# Altium PCB UM-64NNP-V1 rev 0.18.PcbDoc (part 3 of 5)
Units mil, origin at the board's own origin, x right, y up, seen from the top; angles counter-clockwise.
Board outline 3401.4 x 1878.03 mil, 6 copper layers (L1, L2, L3, L4, L5, L6), stack 20.4 mil thick; 336 components, 172 nets, 991 pads, 1862 vias.
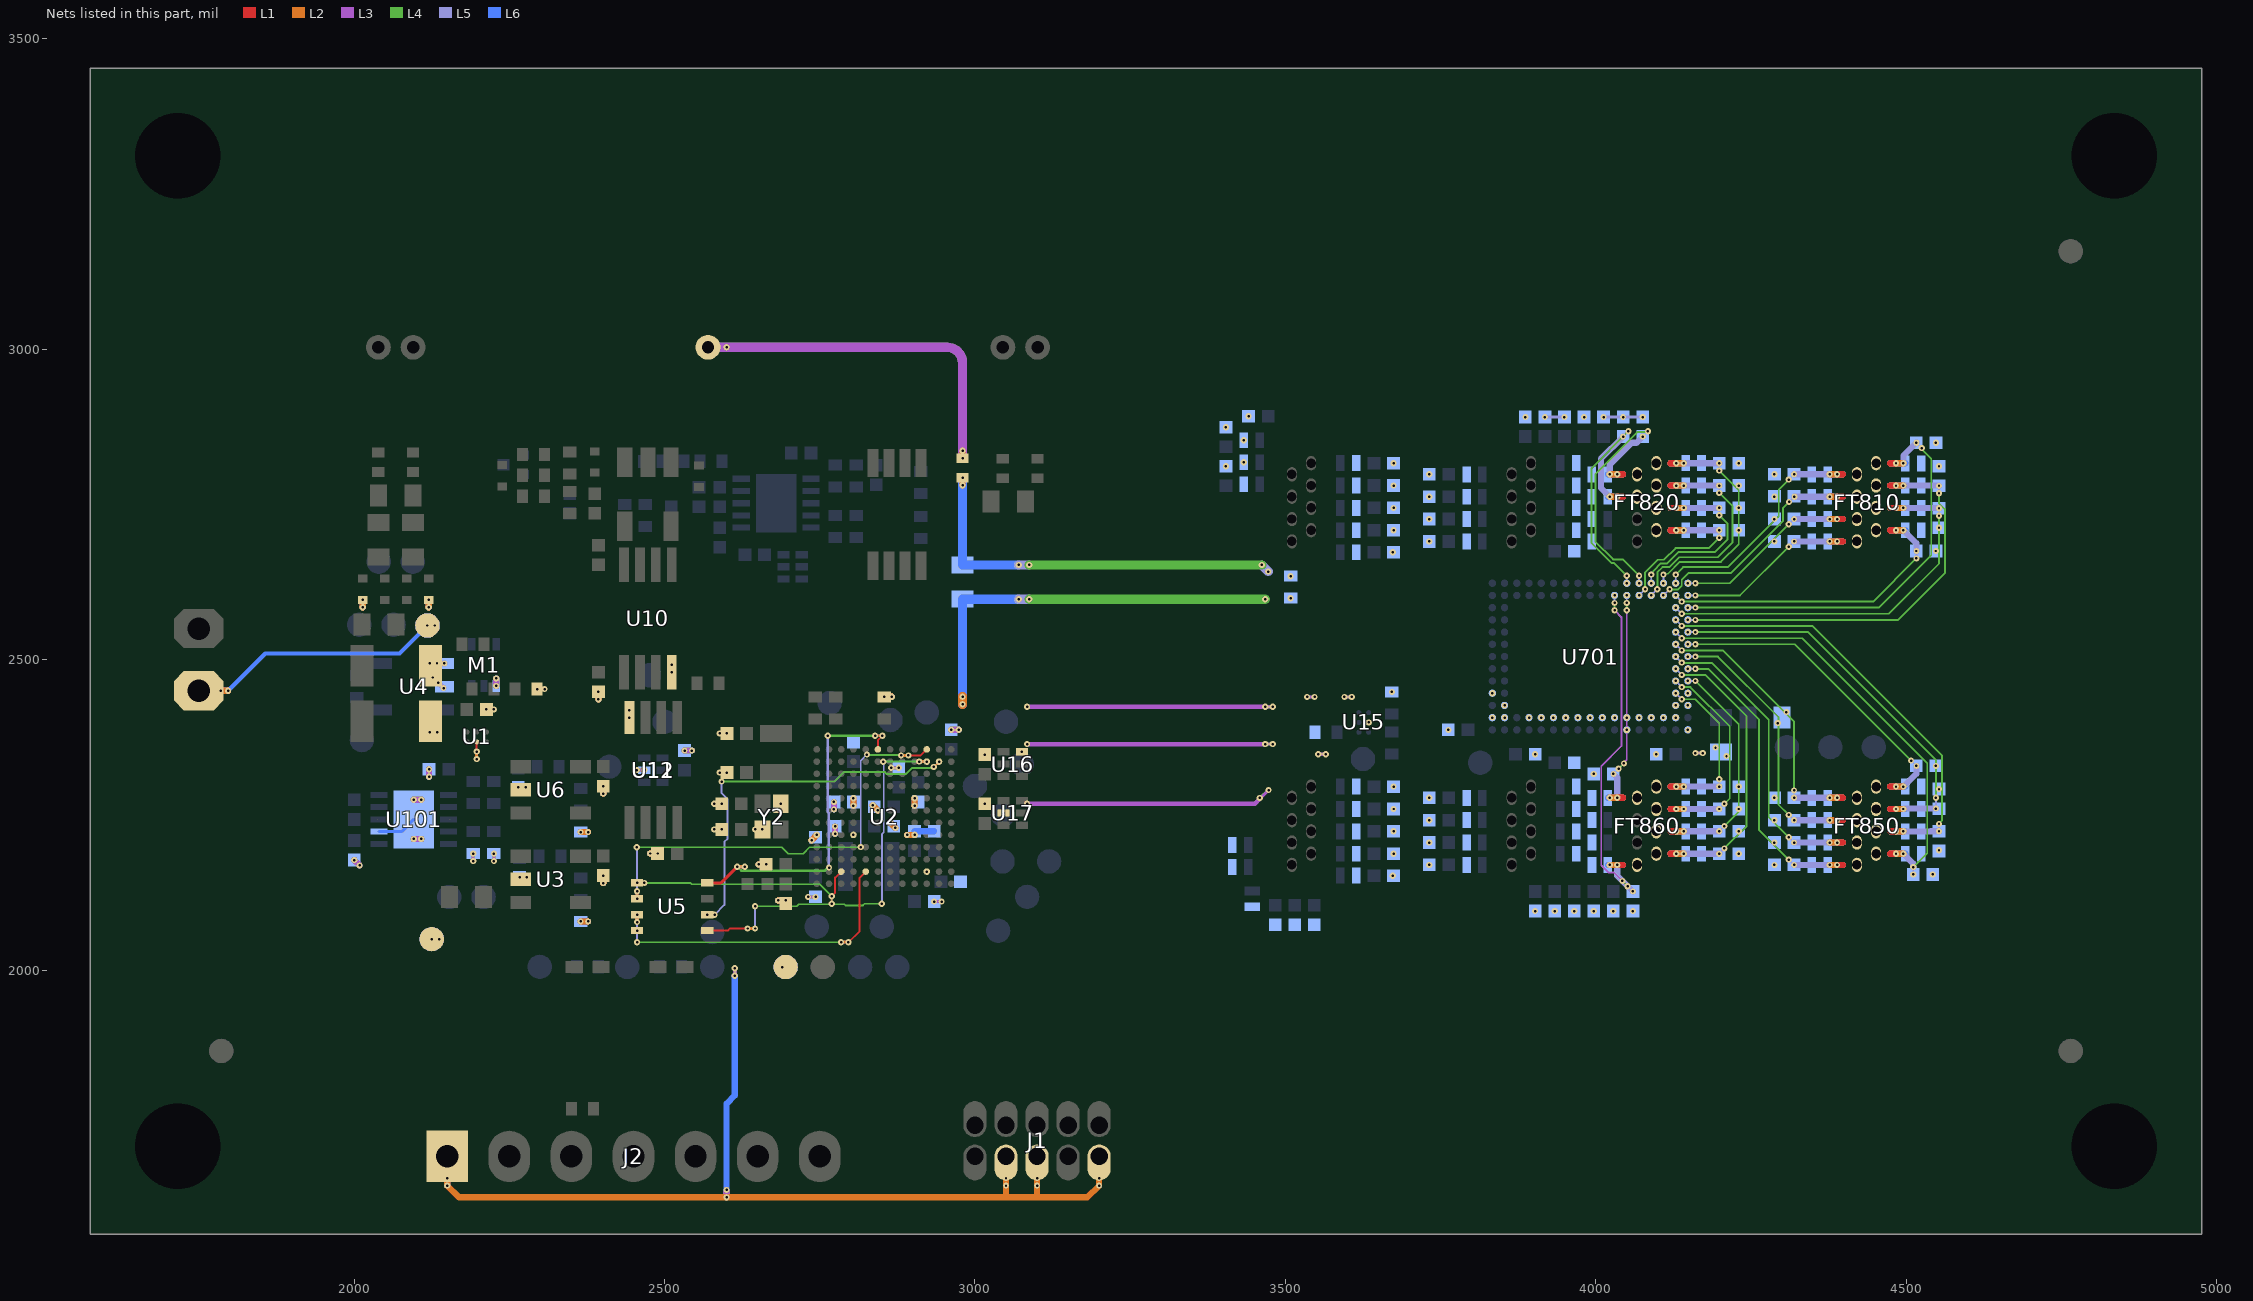
[diagram p7: the nets of this part, all layers, seen from the top]

## Via types
v1: diameter 10, hole 4, L5 to L6, tented bottom, 502 vias
v2: diameter 10, hole 4, L4 to L5, tented top, 404 vias
v3: diameter 10, hole 4, L3 to L4, 320 vias
v4: diameter 10, hole 4, L2 to L3, 311 vias
v5: diameter 10, hole 4, L1 to L2, tented top, 285 vias
v6: diameter 10, hole 4, L4 to L5, 34 vias
v7: diameter 10, hole 4, L3 to L4, tented both sides, 5 vias
v8: diameter 10, hole 4, L5 to L6, tented top, 1 vias

## Nets (pads, with @x,y where several pads share a name; then routed paths per layer and width w, separated by ;. In a path a pad name is that pad's centre, name@x,y a point inside that pad or via, vN(x,y) a via of type N, cw(c..) or ccw(c..) an arc to the next point about the centre after c; other vN are vias at no path point) (continued)
ENCL: C37.2 C811.1 C812.1 C813.1 C814.1 C815.1 C816.1 C817.1 C818.1 C821.1 C822.1 C823.1 C824.1 C825.1 C826.1 C827.1 C828.1 C831.1 C832.1 C833.1 C834.1 C835.1 C836.1 C837.1 C838.1 C841.1 C842.1 C843.1 C844.1 C845.1 C846.1 C847.1 C848.1 C851.1 C852.1 C853.1 C854.1 C855.1 C856.1 C857.1 C858.1 C861.1 C862.1 C863.1 C864.1 C865.1 C866.1 C867.1 C868.1 C871.1 C872.1 C873.1 C874.1 C875.1 C876.1 C877.1 C878.1 C881.1 C882.1 C883.1 C884.1 C885.1 C886.1 C887.1 C888.1 D811.2 D812.2 D813.2 D814.2 D815.2 D816.2 D817.2 D818.2 D821.2 D822.2 D823.2 D824.2 D825.2 D826.2 D827.2 D828.2 D831.2 D832.2 D833.2 D834.2 D835.2 D836.2 D837.2 D838.2 D841.2 D842.2 D843.2 D844.2 D845.2 D846.2 D847.2 D848.2 D851.2 D852.2 D853.2 D854.2 D855.2 D856.2 D857.2 D858.2 D861.2 D862.2 D863.2 D864.2 D865.2 D866.2 D867.2 D868.2 D871.2 D872.2 D873.2 D874.2 D875.2 D876.2 D877.2 D878.2 D881.2 D882.2 D883.2 D884.2 D885.2 D886.2 D887.2 D888.2 FB5.2 R4.1 R23.1 R34.1 | length 779.9
  L3 w10: v4(2980,2781.04) v5(2980,2793.04)
  L4 w10: v4(2980,2781.04) v5(2980,2793.04)
  L4 w15: v2(3087.48,2652.56) v2(3461.95,2652.56)
  L2 w10: v4(2980,2781.04) v5(2980,2793.04)
  L5 w5: v1(3918.01,2890.85) v1(3949.51,2890.85) ; v1(4012.5,2890.85) v1(4044,2890.85) v1(4075.49,2890.85)
  L5 w10: v4(2980,2781.04) v5(2980,2793.04)
  L5 w15: v1(3070.48,2652.56) v2(3087.48,2652.56) ; v2(3461.95,2652.56) v1(3472.56,2641.95)
  L6 w15: v5(2980,2793.04) C37.2@2980,2652.56 v1(3070.48,2652.56)
  other v1: 3902.26,2095.16 3933.76,2095.16 3965.26,2095.16 3996.75,2095.16 4028.25,2095.16 4059.74,2095.16 3672.94,2152.07 4542.84,2154.04 3731.76,2169.5 4287.76,2169.5 3674.25,2187.5 4230.25,2187.5 4552.75,2193.14 3731.76,2205.5 4287.76,2205.5 3674.25,2223.5 4230.25,2223.5 3731.76,2241.5 4287.76,2241.5 3674.25,2259.5 4230.25,2259.5 3731.76,2277.5 4287.76,2277.5 4552.75,2291.57 3674.25,2295.5 4230.25,2295.5 3996.77,2315.97 4547.84,2328.97 4293.16,2397.78 4306.94,2415.5 3508.35,2634.39 3672.94,2673.07 4547.84,2675.04 3731.76,2690.5 4287.76,2690.5 3674.25,2708.5 4230.25,2708.5 4552.75,2712.44 3731.76,2726.5 4287.76,2726.5 3674.25,2744.5 4230.25,2744.5 3731.76,2762.5 4287.76,2762.5 3674.25,2780.5 4230.25,2780.5 2980,2793.04 3731.76,2798.5 4287.76,2798.5 3404.26,2811.5 4552.75,2811.43 3674.25,2816.5 4230.25,2816.5 3432.79,2818.04 4547.84,2849.4 3432.79,2853.47 3404.26,2874.49 3886.52,2890.85 3981,2890.85 3440.75,2891.94
  other v2: 2980,2781.04
  other v3: 2980,2793.04
ENCL_P5: FB5.1 X5.1 | length 1129.5
  L3 w15: X5.1@2587.91,3003.12 v7(2599.91,3003.12) 2955,3003.12 cw(c2955,2978.12) 2980,2978.12 ; v5(2980,2824.54) v4(2980,2836.54) 2980,2975.7
  L4 w15: X5.1@2587.91,3003.12 v7(2599.91,3003.12) 2955,3003.12 cw(c2955,2978.12) 2980,2978.12 v5(2980,2824.54)
  L2 w10: v5(2980,2824.54) v4(2980,2836.54)
  other v3: 2980,2824.54
FRAM_CSn: U2.L3 U5.1 | length 417
  L1 w3: v5@2769.26,2118.7 v5(2769.26,2118.83) 2774.85,2124.41 2774.85,2148.88 U2.L3@2784.66,2158.69
  L3 w3: v3(2455.73,2140.46) v4(2467.73,2140.46) ; v4(2769.26,2106.83) v5(2769.26,2118.83)
  L4 w3: v3@2455.73,2140.22 2455.97,2140.46 2541.44,2140.46 2543.6,2138.31 2749.78,2138.31 v5(2769.26,2118.83)
  L2 w3: v3(2455.73,2140.46) v4(2467.73,2140.46) ; v4(2769.26,2106.83) v5(2769.26,2118.83)
  other v3: 2769.26,2118.83
  other v5: 2455.73,2140.46
FRAM_MISO: U2.A10 U5.2 | length 755.4
  L1 w3: v3(2892.93,2345.7) 2912.61,2345.7 U2.A10@2922.46,2355.54
  L3 w5: v5(2455.73,2114.87) v2(2455.73,2126.87) ; v4(2880.93,2345.7) v3(2892.93,2345.7)
  L4 w3: v6(2455.2,2197.94) 2688.99,2197.94 2699.46,2187.47 2723.08,2187.47 2733.55,2197.94 2816.04,2197.94 v6(2816.16,2198.06) ; v6(2826.01,2347.25) 2826.79,2346.47 2892.15,2346.47 v3(2892.93,2345.7)
  L4 w5: v5(2455.73,2114.87) v2(2455.73,2126.87)
  L2 w5: v5(2455.73,2114.87) v2(2455.73,2126.87) ; v4(2880.93,2345.7) v3(2892.93,2345.7)
  L5 w3: v6(2455.2,2197.94) 2455.73,2197.42 v2(2455.73,2126.87) ; v6(2816.16,2198.06) 2816.16,2257.88 2816.16,2337.39 v6(2826.01,2347.25)
  other v3: 2455.73,2114.87
  other v4: 2455.73,2126.87
  other v5: 2892.93,2345.7
FRAM_MOSI: U2.B10 U5.5 | length 670.5
  L1 w3: U5.5@2568.72,2063.69 2601.98,2063.69 2605.32,2067.03 v5(2633.88,2067.03)
  L3 w5: v5(2633.88,2067.03) v2(2645.88,2067.03) ; v4(2910.46,2335.86) v3(2922.46,2335.86)
  L4 w3: v6(2645.88,2102.81) 2712.84,2102.81 2716.09,2106.07 2789.69,2106.07 2791.59,2104.17 2819.43,2104.17 2822.09,2106.83 v6(2850,2106.83) ; v6(2852.28,2335.73) 2852.34,2335.8 2922.39,2335.8 v3(2922.46,2335.86)
  L4 w5: v5(2633.88,2067.03) v2(2645.88,2067.03)
  L2 w5: v5(2633.88,2067.03) v2(2645.88,2067.03) ; v4(2910.46,2335.86) v3(2922.46,2335.86)
  L5 w3: v2(2645.88,2067.03) v6(2645.88,2102.81) ; v6(2850,2106.83) 2850,2219 2853.22,2222.22 2853.22,2334.8 v6(2852.28,2335.73)
  other v3: 2633.88,2067.03
  other v4: 2645.88,2067.03
  other v5: 2922.46,2335.86
FRAM_SCK: U2.B11 U5.6 | length 653.3
  L3 w3: v5(2568.72,2089.28) v2(2580.72,2089.28) ; v4(2933.66,2327.37) v3(2942.14,2335.86)
  L4 w3: v5(2568.72,2089.28) v2(2580.72,2089.28) ; v6(2591.95,2303.55) 2773.64,2303.55 2789.24,2319.15 2854.51,2319.15 2857.97,2315.68 2888.82,2315.68 2898.41,2325.27 2931.56,2325.27 v3(2942.14,2335.86)
  L2 w3: v5(2568.72,2089.28) v2(2580.72,2089.28) ; v4(2933.66,2327.37) v3(2942.14,2335.86)
  L5 w3: v2(2580.72,2089.28) 2596.48,2105.04 2596.48,2206.79 2601.48,2211.79 2601.48,2257.88 2601.48,2271.88 2601.48,2275.49 2591.95,2285.02 v6(2591.95,2303.55)
  other v3: 2568.72,2089.28
  other v4: 2580.72,2089.28
  other v5: 2942.14,2335.86
FRAM_VDD: U2.A6 U5.8 | length 586.2
  L1 w3: U2.A6@2843.72,2355.54 2843.72,2370.28 v3(2851.07,2377.64)
  L1 w5: U5.8@2568.72,2140.46 2591.18,2140.46 v3(2617.17,2166.45)
  L3 w3: v4(2839.07,2377.64) v3(2851.07,2377.64)
  L3 w5: v3(2617.17,2166.45) v4(2629.17,2166.45)
  L4 w4: v3(2617.17,2166.45) 2617.54,2166.45 2623.69,2160.31 2680.89,2160.31 2758.47,2160.3 2763.35,2165.19 v6(2764.98,2165.19) ; v6(2762.95,2377.64) v3(2851.07,2377.64)
  L2 w3: v4(2839.07,2377.64) v3(2851.07,2377.64)
  L2 w5: v3(2617.17,2166.45) v4(2629.17,2166.45)
  L5 w4: v6(2762.95,2377.64) 2762.85,2377.53 2762.85,2254.75 2764.82,2252.79 2764.82,2165.35 v6(2764.98,2165.19)
  other v5: 2617.17,2166.45 2851.07,2377.64
FRAM_WPn: U2.L5 U5.3 | length 558.3
  L1 w3: v3(2796.31,2045.04) 2814.16,2062.89 2814.16,2148.82 U2.L5@2824.03,2158.69
  L3 w5: v2(2455.73,2077.28) v5(2455.73,2089.28) ; v4(2784.31,2045.04) v3(2796.31,2045.04)
  L4 w3: v6(2455.76,2044.8) 2455.88,2044.92 2796.19,2044.92 v3(2796.31,2045.04)
  L4 w5: v2(2455.73,2077.28) v5(2455.73,2089.28)
  L2 w5: v2(2455.73,2077.28) v5(2455.73,2089.28) ; v4(2784.31,2045.04) v3(2796.31,2045.04)
  L5 w3: v6@2455.73,2044.83 v2(2455.73,2077.28)
  other v3: 2455.73,2089.28
  other v4: 2455.73,2077.28
  other v5: 2796.31,2045.04
GND: C1.1 C2.2 C3.2 C4.2 C5.2 C6.2 C8.2 C9.2 C10.2 C11.2 C12.2 C13.2 C14.2 C15.1 C16.2 C18.2 C19.2 C23.1 C24.2 C25.2 C26.1 C27.1 C28.2 C34.2 C35.2 C36.2 C37.1 C38.1 C39.2 C40.2 C41.1 C42.1 C43.2 C44.2 C102.2 C103.2 C701.1 C702.1 C703.2 D7.2 D8.2 J1.3 J1.5 J1.9 J2.1 M1.1 R2.2 R5.1 R14.2 R22.2 R23.2 R33.2 R36.2 R103.2 R104.2 TP11.1 TP19.1 TP25.1 TP31.1 TP32.1 TP33.1 TP37.1 U1.B1 U2.E4 U2.E9 U2.F6 U2.G7 U2.H1 U2.H4 U2.H9 U2.L10 U3.2 U4.1 U4.2 U5.4 U6.2 U10.4 U11.4 U12.2 U15.B1 U16.3 U17.2 U101.2 U101.11 U701.K1 U701.K17 U701.L1 U701.L2 U701.L16 U701.M2 U701.M3 U701.M4 U701.M5 U701.M6 U701.M7 U701.M8 U701.M9 U701.M10 U701.M11 U701.M12 U701.M13 U701.M14 U701.M16 U701.M17 U701.N1 U701.N6 Y2.2 Y2.4 | length 6495.3
  L1 w3: v5(2197.43,2351.98) U1.B1@2197.43,2367.65
  L3 w5: v4(2191.77,2175.63) v3(2191.77,2187.63) ; v4(2197.43,2339.98) v5(2197.43,2351.98) ; v5(2213.18,2419.81) v4(2225.18,2419.81) ; v4(2225.24,2175.63) v3(2225.24,2187.63) ; v5(2294.92,2452.73) v4(2306.92,2452.73) ; v4(2455.2,2322.07) v3(2467.2,2322.07) ; v2(2579.98,2226.53) v1(2591.98,2226.53) ; v2(2579.98,2267.94) v1(2591.98,2267.94) ; v2(2588.61,2318.14) v1(2600.61,2318.14) ; v2(2588.61,2381.13) v1(2600.61,2381.13) ; v3(2613.13,1990.91) v4(2613.13,2002.91) ; v2(2645.77,2226.53) v1(2657.77,2226.53) ; v2(2678.81,2259.46) v1(2687.3,2267.94) ; v2(2731.32,2117.94) v1(2743.32,2117.94) ; v4(2865.27,2326.01) v1(2877.27,2326.01) ; v1(2934.27,2110.42) v4(2946.27,2110.42) ; 3457.5,2274.62 v3(3472.94,2290.06) ; v2(3467.5,2364) v3(3479.5,2364) ; v4(3467.5,2424.1) v3(3479.5,2424.05) ; v4(3535,2440) v3(3547,2440) ; v4(3552.95,2347.75) v3(3564.95,2347.75) ; v2(3595,2440) v3(3607,2440) ; v2(4160.33,2349.59) v3(4172.33,2349.59)
  L3 w7: v4(3084,2268.05) 3450.94,2268.05 3457.5,2274.62 ; v4(3084,2364) v2(3467.5,2364) ; v4(3084,2424.05) v4(3467.5,2424.1)
  L3 w10: v5(1785,2450) v4(1797,2450) ; v1(2000.33,2177.2) v2(2008.82,2168.71) ; v2(2013.95,2584.28) v1(2013.95,2596.28) ; v1(2096.22,2211.25) v2(2108.22,2211.25) ; v3(2096.22,2274.24) v4(2108.22,2274.24) ; v5(2118.17,2555.05) v4(2130.17,2555.05) ; v2(2120.25,2584.28) v1(2120.25,2596.28) ; v2(2120.83,2311.46) v1(2120.83,2323.46) ; v5(2121.54,2493.86) v2(2133.54,2493.86) ; v1(2121.91,2383.4) v2(2133.91,2383.4) ; v5(2125,2050) v4(2137,2050) ; v3(2127.08,2471.29) v4(2135.57,2462.81) ; v4(2150,1653) v5(2150,1665) ; v2(2228.9,2457.8) v1(2228.9,2469.8) ; v1(2264.44,2294.18) v2(2276.44,2294.18) ; v5(2266.49,2149.26) v4(2278.49,2149.26) ; v1(2364.84,2078.32) v2(2376.84,2078.32) ; v1(2364.84,2222.43) v2(2376.84,2222.43) ; v2(2393.52,2436.25) v1(2393.52,2448.25) ; v4(2401.26,2140.22) v5(2401.26,2152.22) ; v4(2401.26,2284.32) v5(2401.26,2296.32) ; v1(2443.58,2406.72) v2(2443.58,2418.72) ; v2(2476.85,2187.82) v1(2488.85,2187.82) ; v1(2511.63,2479.74) v2(2511.63,2491.74) ; v1(2532.24,2353.57) v2(2544.24,2353.57) ; v2(2600,1634) v3(2600,1646) ; v2(2651.6,2170.31) v1(2663.6,2170.31) ; v2(2683.09,2112.31) v1(2695.09,2112.31) ; v4(2736.8,2209.26) v5(2745.29,2217.75) ; v4(2772.85,2258.9) v3(2772.85,2270.9) ; v4(2774.82,2219.53) v3(2774.82,2231.53) ; v4(2804.35,2264.8) v5(2804.35,2276.8) ; v4(2835.23,2265.6) v5(2843.72,2257.12) ; v1(2854.03,2440.19) v2(2866.03,2440.19) ; v5(2863.4,2237.43) v4(2871.89,2228.95) ; v4(2890.77,2217.75) v5(2902.77,2217.75) ; v4(2902.77,2264.8) v5(2902.77,2276.8) ; v1(2961.83,2387.04) v2(2973.83,2387.04) ; v2(3050.01,1653.01) v1(3050.01,1665.01) ; v2(3100.01,1653.01) v1(3100.01,1665.01) ; v2(3200.01,1653.01) v1(3200.01,1665.01)
  L3 w15: v2(2980,2428.19) v1(2980,2440.19)
  L4 w5: v4(2191.77,2175.63) v3(2191.77,2187.63) ; v4(2197.43,2339.98) v5(2197.43,2351.98) ; v5(2213.18,2419.81) v4(2225.18,2419.81) ; v4(2225.24,2175.63) v3(2225.24,2187.63) ; v5(2294.92,2452.73) v4(2306.92,2452.73) ; v4(2455.2,2322.07) v3(2467.2,2322.07) ; v2(2579.98,2226.53) v1(2591.98,2226.53) ; v2(2579.98,2267.94) v1(2591.98,2267.94) ; v2(2588.61,2318.14) v1(2600.61,2318.14) ; v2(2588.61,2381.13) v1(2600.61,2381.13) ; v3(2613.13,1990.91) v4(2613.13,2002.91) ; v2(2645.77,2226.53) v1(2657.77,2226.53) ; v2(2678.81,2259.46) v1(2687.3,2267.94) ; v2(2731.32,2117.94) v1(2743.32,2117.94) ; v4(2865.27,2326.01) v1(2877.27,2326.01) ; v1(2934.27,2110.42) v4(2946.27,2110.42) ; v2(3458.61,2277.42) 3459.45,2277.42 3472.09,2290.06 v3(3472.94,2290.06) ; v2(3467.5,2364) v3(3479.5,2364) ; v4(3467.5,2424.1) v3(3479.5,2424.05) ; v4(3535,2440) v3(3547,2440) ; v4(3552.95,2347.75) v3(3564.95,2347.75) ; v2(3595,2440) v3(3607,2440) ; v2(4160.33,2349.59) v3(4172.33,2349.59)
  L4 w10: v5(1785,2450) v4(1797,2450) ; v1(2000.33,2177.2) v2(2008.82,2168.71) ; v2(2013.95,2584.28) v1(2013.95,2596.28) ; v1(2096.22,2211.25) v2(2108.22,2211.25) ; v3(2096.22,2274.24) v4(2108.22,2274.24) ; v5(2118.17,2555.05) v4(2130.17,2555.05) ; v2(2120.25,2584.28) v1(2120.25,2596.28) ; v2(2120.83,2311.46) v1(2120.83,2323.46) ; v5(2121.54,2493.86) v2(2133.54,2493.86) ; v1(2121.91,2383.4) v2(2133.91,2383.4) ; v5(2125,2050) v4(2137,2050) ; v3(2127.08,2471.29) v4(2135.57,2462.81) ; v4(2150,1653) v5(2150,1665) ; v2(2228.9,2457.8) v1(2228.9,2469.8) ; v1(2264.44,2294.18) v2(2276.44,2294.18) ; v5(2266.49,2149.26) v4(2278.49,2149.26) ; v1(2364.84,2078.32) v2(2376.84,2078.32) ; v1(2364.84,2222.43) v2(2376.84,2222.43) ; v2(2393.52,2436.25) v1(2393.52,2448.25) ; v4(2401.26,2140.22) v5(2401.26,2152.22) ; v4(2401.26,2284.32) v5(2401.26,2296.32) ; v1(2443.58,2406.72) v2(2443.58,2418.72) ; v2(2476.85,2187.82) v1(2488.85,2187.82) ; v1(2511.63,2479.74) v2(2511.63,2491.74) ; v1(2532.24,2353.57) v2(2544.24,2353.57) ; v2(2600,1634) v3(2600,1646) ; v2(2651.6,2170.31) v1(2663.6,2170.31) ; v2(2683.09,2112.31) v1(2695.09,2112.31) ; v4(2736.8,2209.26) v5(2745.29,2217.75) ; v4(2772.85,2258.9) v3(2772.85,2270.9) ; v4(2774.82,2219.53) v3(2774.82,2231.53) ; v4(2804.35,2264.8) v5(2804.35,2276.8) ; v4(2835.23,2265.6) v5(2843.72,2257.12) ; v1(2854.03,2440.19) v2(2866.03,2440.19) ; v5(2863.4,2237.43) v4(2871.89,2228.95) ; v4(2890.77,2217.75) v5(2902.77,2217.75) ; v4(2902.77,2264.8) v5(2902.77,2276.8) ; v1(2961.83,2387.04) v2(2973.83,2387.04) ; v2(3050.01,1653.01) v1(3050.01,1665.01) ; v2(3100.01,1653.01) v1(3100.01,1665.01) ; v2(3200.01,1653.01) v1(3200.01,1665.01)
  L4 w15: v2(2980,2428.19) v1(2980,2440.19) ; v2(3087.48,2597.44) 3087.62,2597.3 v2(3467.5,2597.3)
  L2 w5: v4(2197.43,2339.98) v5(2197.43,2351.98) ; v5(2213.18,2419.81) v4(2225.18,2419.81) ; v5(2294.92,2452.73) v4(2306.92,2452.73) ; v2(2579.98,2226.53) v1(2591.98,2226.53) ; v2(2579.98,2267.94) v1(2591.98,2267.94) ; v2(2588.61,2318.14) v1(2600.61,2318.14) ; v2(2588.61,2381.13) v1(2600.61,2381.13) ; v2(2645.77,2226.53) v1(2657.77,2226.53) ; v2(2678.81,2259.46) v1(2687.3,2267.94)
  L2 w10: v5(1785,2450) v4(1797,2450) ; v2(2013.95,2584.28) v1(2013.95,2596.28) ; v5(2118.17,2555.05) v4(2130.17,2555.05) ; v2(2120.25,2584.28) v1(2120.25,2596.28) ; v5(2121.54,2493.86) v2(2133.54,2493.86) ; v1(2121.91,2383.4) v2(2133.91,2383.4) ; v5(2125,2050) v4(2137,2050) ; v3(2127.08,2471.29) v4(2135.57,2462.81) ; v5(2150,1665) v4(2150,1653) 2169,1634 v2(2600,1634) 3050.01,1634 ; v1(2264.44,2294.18) v2(2276.44,2294.18) ; v5(2266.49,2149.26) v4(2278.49,2149.26) ; v1(2364.84,2078.32) v2(2376.84,2078.32) ; v1(2364.84,2222.43) v2(2376.84,2222.43) ; v2(2393.52,2436.25) v1(2393.52,2448.25) ; v4(2401.26,2140.22) v5(2401.26,2152.22) ; v4(2401.26,2284.32) v5(2401.26,2296.32) ; v1(2443.58,2406.72) v2(2443.58,2418.72) ; v2(2476.85,2187.82) v1(2488.85,2187.82) ; v1(2511.63,2479.74) v2(2511.63,2491.74) ; v2(2651.6,2170.31) v1(2663.6,2170.31) ; v2(2683.09,2112.31) v1(2695.09,2112.31) ; v4(2736.8,2209.26) v5(2745.29,2217.75) ; v4(2804.35,2264.8) v5(2804.35,2276.8) ; v4(2835.23,2265.6) v5(2843.72,2257.12) ; v1(2854.03,2440.19) v2(2866.03,2440.19) ; v5(2863.4,2237.43) v4(2871.89,2228.95) ; v4(2890.77,2217.75) v5(2902.77,2217.75) ; v4(2902.77,2264.8) v5(2902.77,2276.8) ; v1(3050.01,1665.01) v2(3050.01,1653.01) 3050.01,1634 ; v1(3100.01,1665.01) v2(3100.01,1653.01) 3100.01,1634 ; v1(3200.01,1665.01) v2(3200.01,1653.01) 3181,1634 3100.01,1634 ; 3050.01,1634 3100.01,1634
  L2 w15: v2(2980,2428.19) v1(2980,2440.19)
  L5 w5: v4(2191.77,2175.63) v3(2191.77,2187.63) ; v4(2197.43,2339.98) v5(2197.43,2351.98) ; v5(2213.18,2419.81) v4(2225.18,2419.81) ; v4(2225.24,2175.63) v3(2225.24,2187.63) ; v5(2294.92,2452.73) v4(2306.92,2452.73) ; v4(2455.2,2322.07) v3(2467.2,2322.07) ; v2(2579.98,2226.53) v1(2591.98,2226.53) ; v2(2579.98,2267.94) v1(2591.98,2267.94) ; v2(2588.61,2318.14) v1(2600.61,2318.14) ; v2(2588.61,2381.13) v1(2600.61,2381.13) ; v3(2613.13,1990.91) v4(2613.13,2002.91) ; v2(2645.77,2226.53) v1(2657.77,2226.53) ; v2(2678.81,2259.46) v1(2687.3,2267.94) ; v2(2731.32,2117.94) v1(2743.32,2117.94) ; v4(2865.27,2326.01) v1(2877.27,2326.01) ; v1(2934.27,2110.42) v4(2946.27,2110.42)
  L5 w10: v5(1785,2450) v4(1797,2450) ; v1(2000.33,2177.2) v2(2008.82,2168.71) ; v2(2013.95,2584.28) v1(2013.95,2596.28) ; v1(2096.22,2211.25) v2(2108.22,2211.25) ; v3(2096.22,2274.24) v4(2108.22,2274.24) ; v5(2118.17,2555.05) v4(2130.17,2555.05) ; v2(2120.25,2584.28) v1(2120.25,2596.28) ; v2(2120.83,2311.46) v1(2120.83,2323.46) ; v1(2121.91,2383.4) v2(2133.91,2383.4) ; v5(2125,2050) v4(2137,2050) ; v2(2133.54,2493.86) v1(2145.54,2493.86) ; v4(2135.57,2462.81) v1(2144.05,2454.32) ; v4(2150,1653) v5(2150,1665) ; v2(2228.9,2457.8) v1(2228.9,2469.8) ; v1(2264.44,2294.18) v2(2276.44,2294.18) ; v5(2266.49,2149.26) v4(2278.49,2149.26) ; v1(2364.84,2078.32) v2(2376.84,2078.32) ; v1(2364.84,2222.43) v2(2376.84,2222.43) ; v2(2393.52,2436.25) v1(2393.52,2448.25) ; v4(2401.26,2140.22) v5(2401.26,2152.22) ; v4(2401.26,2284.32) v5(2401.26,2296.32) ; v1(2443.58,2406.72) v2(2443.58,2418.72) ; v2(2476.85,2187.82) v1(2488.85,2187.82) ; v1(2511.63,2479.74) v2(2511.63,2491.74) ; v1(2532.24,2353.57) v2(2544.24,2353.57) ; v2(2600,1634) v3(2600,1646) ; v2(2651.6,2170.31) v1(2663.6,2170.31) ; v2(2683.09,2112.31) v1(2695.09,2112.31) ; v4(2736.8,2209.26) v5(2745.29,2217.75) ; v4(2772.85,2258.9) v3(2772.85,2270.9) ; v4(2774.82,2219.53) v3(2774.82,2231.53) ; v4(2804.35,2264.8) v5(2804.35,2276.8) ; v4(2835.23,2265.6) v5(2843.72,2257.12) ; v1(2854.03,2440.19) v2(2866.03,2440.19) ; v5(2863.4,2237.43) v4(2871.89,2228.95) ; v4(2890.77,2217.75) v5(2902.77,2217.75) ; v4(2902.77,2264.8) v5(2902.77,2276.8) ; v1(2961.83,2387.04) v2(2973.83,2387.04) ; v2(3050.01,1653.01) v1(3050.01,1665.01) ; v2(3100.01,1653.01) v1(3100.01,1665.01) ; v2(3200.01,1653.01) v1(3200.01,1665.01)
  L5 w15: v2(2980,2428.19) v1(2980,2440.19) ; v1(3070.48,2597.44) v2(3087.48,2597.44)
  L6 w5: 1968.5,2510 1968.63,2510 ; U101.2@2040.12,2223.06 2076.54,2223.06 U101.11@2096.22,2242.75
  L6 w7: v4(1797,2450) 1857,2510 1968.5,2510 ; 1968.63,2510 2073.11,2510 v5(2118.17,2555.05)